# Allegro board 20250806_UNOQ.brd (continued)
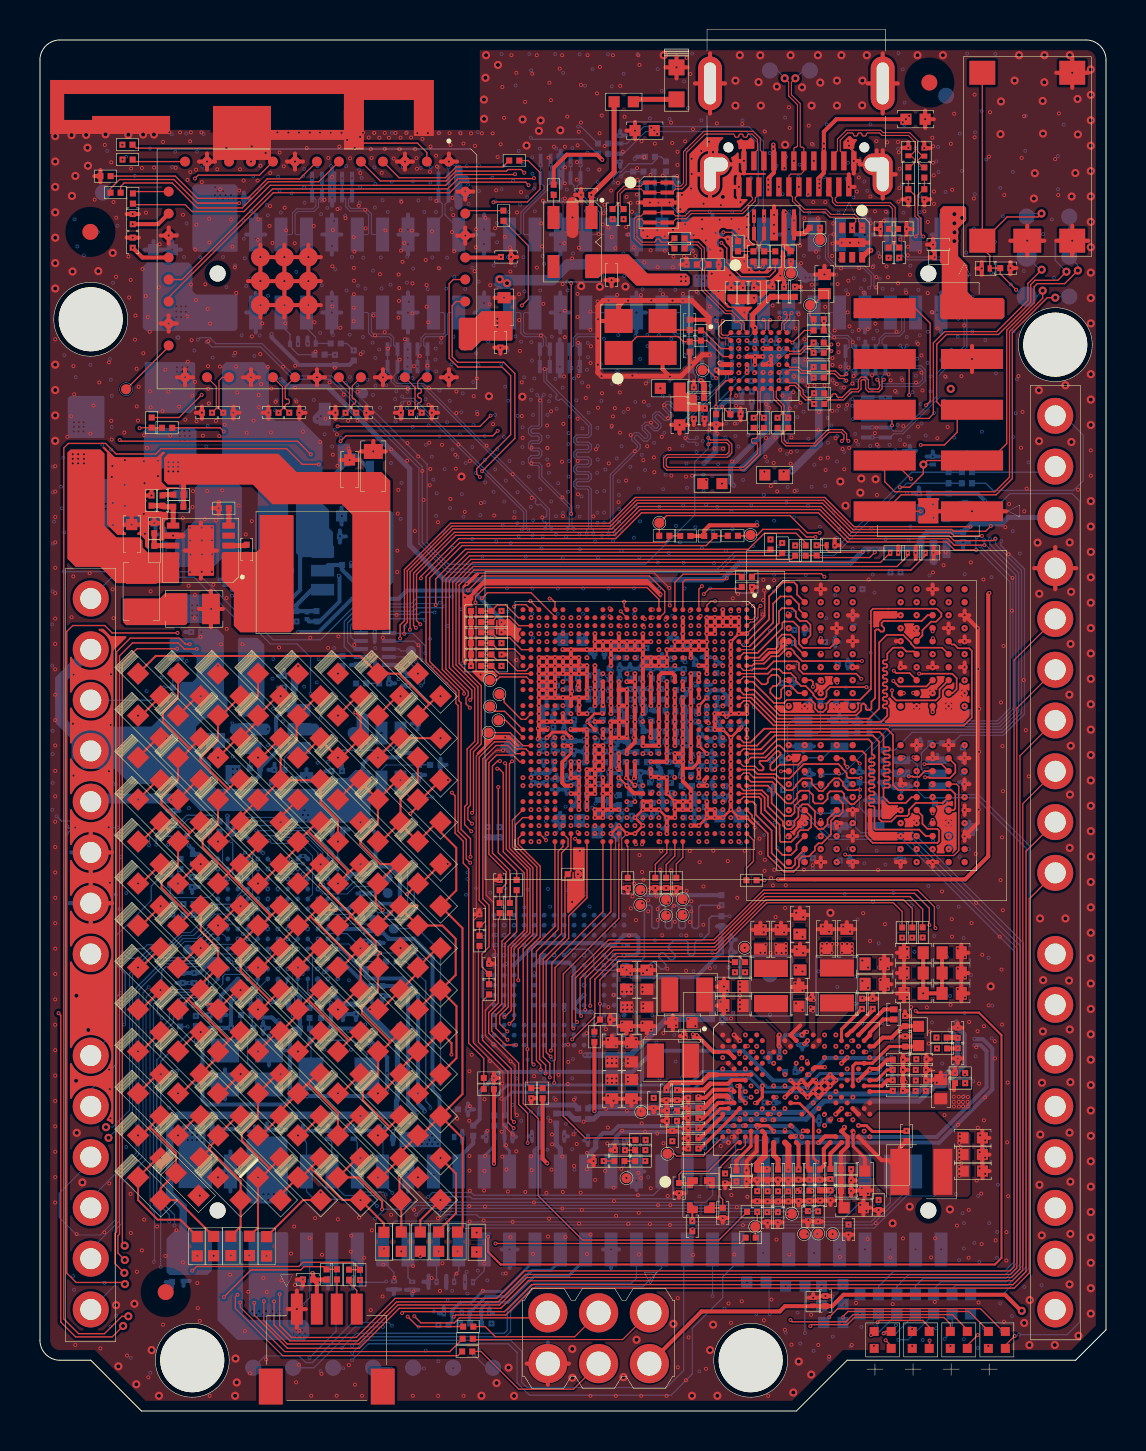
[diagram p0: board, top side]
## Routing (per net, layer and track width the routed paths; a pad name or vN(x,y) marks a point on that pad's centre or on a via; arc(x,y) is an arc through that point) (continued)
VBAT: length 0.4
  TOP w0.203: 45.73,16.05 45.73,16.34 R603.2
  vias: v1(45.72,15.72) v1(45.72,15.46) v1(45.73,15.23) v1(45.97,15.72) v1(45.97,15.46) v1(45.98,15.23) v1(46.19,15.71) v1(46.18,15.46) v1(46.19,15.24) v1(46.43,15.71) v1(46.42,15.46) v1(46.43,15.24) v2(45.72,15.72) v2(45.72,15.46) v2(45.73,15.23) v2(45.97,15.72) v2(45.97,15.46) v2(45.98,15.23) v2(46.19,15.71) v2(46.18,15.46) v2(46.19,15.24) v2(46.43,15.71) v2(46.42,15.46) v2(46.43,15.24) v3(6.49,40.57) v3(6.49,40.12) v3(6.89,40.56) v3(6.89,40.11) v3(7.29,40.56) v3(7.29,40.11) v3(13.89,7.37) v3(14.17,7.06) v3(14.43,6.68) v3(14.86,6.68) v3(15.32,6.68) v3(15.57,7.14) v3(45.85,14.96) v3(46.22,14.96) v3(46.59,14.96) v3(46.74,15.66) v3(46.74,15.3) v3(46.94,14.99) v4(7.62,40.3) v4(7.62,40.04) v4(7.62,39.79) v4(7.87,40.3) v4(7.87,40.04) v4(7.87,39.79) v4(8.13,40.3) v4(8.13,40.04) v4(8.13,39.79) v4(14.4,7.54) v4(14.43,7.26) v4(14.58,7.01) v4(14.68,7.52) v4(14.68,7.26) v4(14.81,7.01) v4(14.94,7.52) v4(14.94,7.26) v4(15.04,7.01) v4(15.19,7.52) v4(15.19,7.26) v4(15.29,7.01) v5(7.4,14.04) v5(7.4,13.81) v5(7.4,13.56) v5(7.62,40.3) v5(7.62,40.04) v5(7.62,39.79) v5(7.62,14.04) v5(7.62,13.81) v5(7.62,13.56) v5(7.87,40.3) v5(7.87,40.04) v5(7.87,39.79) v5(7.85,14.04) v5(7.85,13.81) v5(7.85,13.56) v5(8.13,40.3) v5(8.13,40.04) v5(8.13,39.79) v5(8.11,14.04) v5(8.11,13.81) v5(8.11,13.56)
VBAT_CONN_VSNS_P: length 7.3
  S3 w0.064: v2(46.29,16.4) 46.29,16.47 46.36,16.54 46.53,16.54 46.61,16.46 46.61,16.23 46.52,16.14 45.11,16.14 43.82,14.85 v2(40.51,14.85)
VBUS_DIV8: length 4
  TOP w0.254: v2(33.06,51.55) 33.22,51.38 R3020.1 R3019.2
  G2 w0.203: v1(34.98,52.3) 34.92,52.25 34.82,52.25 v2(34.77,52.2)
  S3 w0.203: v2(34.77,52.2) 34.62,52.04 v3(34.62,51.94) ; v2(33.06,51.55) 32.94,51.44 v3(32.94,51.16)
  S6 w0.254: v3(34.62,51.94) 33.73,51.94 v3(32.94,51.16)
VBUS_POWER_SWITCH_DISABLE_N: length 47.9
  TOP w0.066: JCTL1.10 43.79,55.16 44.54,54.41 44.54,50.51 v2(44.34,50.31)
  S3 w0.064: v3(43.48,47.26) 44.34,48.12 v2(44.34,50.31) ; v3(19.97,37.5) 19.88,37.41 18.3,37.41 17.76,37.95 15.06,37.95 v3(13.8,39.21)
  S6 w0.064: v3(43.48,47.26) 43.48,47.21 41.58,45.31 41.58,44.95 39.29,42.66 37.46,42.66 36.58,41.78 34.65,41.78 33.25,40.39 22.15,40.39 19.97,38.21 v3(19.97,37.5) ; v3(13.8,39.21) 13.9,39.21 v4(14.05,39.07)
  G7 w0.064: v5(12.23,39.19) 12.79,38.63 13.61,38.63 v4(14.05,39.07)
AMUX_1_TP: length 6.5
  S3 w0.064: v2(39.24,14.81) 39.24,14.73 39.64,14.33 39.64,13.97 40.09,13.52 40.09,10.27 39.66,9.84 v2(39.66,8.85)
ANT_CH0: length 5.6
  TOP w0.066: ANT1.1 15.71,63.59 15.88,63.42 18.89,63.42 19.36,62.95 U2901.2
AUX_CTRL_1: length 13.1
  TOP w0.066: U3001.G1 34.32,51.54 33.83,51.05 v2(33.83,50.23) R3001.1 ; v2(34.2,58.96) 34.61,58.96 34.93,58.64 R3003.1
  S3 w0.064: v2(33.83,50.23) 33.83,50.24 33.32,50.75 33.32,51.78 32.55,52.56 32.55,55.32 33.4,56.18 33.4,57.58 33.84,58.02 33.84,58.61 v2(34.2,58.96)
AUX_CTRL_2: length 15.6
  TOP w0.066: U3001.H1 34.57,50.86 34.54,50.83 R3002.1 34.52,49.86 v2(34.14,50.24) ; v2(34.09,58.44) 34.37,58.16 34.37,57.45 35.08,56.74 36.49,56.74 36.79,57.03 36.79,57.5
  S3 w0.064: v2(34.09,58.44) 34.09,58.03 33.53,57.48 33.53,56.09 32.72,55.28 32.72,52.71 33.5,51.93 33.5,50.88 v2(34.14,50.24)
BAT_ID: length 8
  S3 w0.064: v2(38.89,8.86) 38.89,9.05 38.74,9.19 38.75,9.2 38.75,9.8 v2(38.93,9.99) 39.55,9.99 39.95,10.39 39.95,13.48 39.48,13.95 39.48,14.33 39.18,14.63 39.12,14.63 38.69,15.06 v2(38.69,15.41)
BAT_THERM: length 6.8
  S3 w0.064: v2(39.26,14.28) 39.26,13.97 39.8,13.43 39.8,10.52 39.52,10.24 38.74,10.24 v2(38.5,10) 38.63,9.87 38.63,9.25 38.4,9.02 v2(38.4,8.85)
BOOT_CAP: length 5.1
  TOP w0.15: v1(43.36,14.01) 43.32,13.98 41.65,13.98 41.36,14.27 40.96,14.27 v1(40.95,14.28)
  G2 w0.2: v1(43.36,14.01) 41.65,14.01 41.36,14.3 40.97,14.3 v1(40.95,14.28)
BOOT_CONFIG0: length 2.7
  TOP w0.066: SOC1.AH9 22.97,36.88 R1304.1 R1303.2
BOOT_CONFIG1: length 2.4
  TOP w0.066: R1305.2 R1306.1 22.88,38.12 23.73,38.12 SOC1.AJ7
BOOT_CONFIG2: length 2.9
  TOP w0.066: R1307.2 R1308.1 22.88,37.55 23.37,37.55 23.89,37.03 24.32,37.03 SOC1.AH8
BOOT_CONFIG3: length 2.9
  TOP w0.066: SOC1.AH6 24.1,38.08 23.5,38.68 22.86,38.68 R1310.1 R1309.2
CBLPWR_N: length 5.4
  TOP w0.066: v2(36.65,14.55) 36.65,14.56 PMIC1.T10
  S3 w0.064: v2(36.65,14.55) 36.65,14.18 36.25,13.78 36.25,12.34 36.1,12.19 36.1,11.4 36.19,11.31 36.19,10.45 36.2,10.44 36.33,10.3 36.56,10.3 v2(36.93,9.93)
CC_OUT: length 4.2
  S3 w0.064: v2(35.86,18.24) 35.86,18.43 35.84,18.45 35.84,21.84 35.74,21.95 v2(35.28,21.95)
CCI_I2C_SCL0: length 29.7
  S3 w0.064: v2(26.17,38.48) 25.62,37.93 19.91,37.93 19.57,37.59 18.4,37.59 17.85,38.14 16.53,38.14 12.68,41.99 12.68,48.01 13.76,49.09 13.76,51.18 13.96,51.38 v3(13.96,52.83)
  S6 w0.064: v5(15.7,53.05) 14.18,53.05 v3(13.96,52.83)
  BOTTOM w0.066: v5(15.7,53.05) 15.35,53.4 R2607.1
CCI_I2C_SCL0_CONN: length 2.5
  BOTTOM w0.066: R2607.2 D26051.2 13.79,53.72 13.34,54.17 JMEDIA1.51
CCI_I2C_SCL1: length 47.6
  S3 w0.064: v3(14.05,58.79) 14.4,58.43 14.4,53.26 16.38,51.28 16.38,45.65 18.85,43.18 20.75,43.18 22.86,41.07 25.7,41.07 26.97,39.8 v2(26.97,39.68)
  S6 w0.064: v5(29.06,61.74) 28.57,61.74 26.57,59.75 26.57,57.86 26.03,57.31 14.62,57.31 14.32,57.62 14.32,58.48 14.05,58.75 v3(14.05,58.79)
  BOTTOM w0.066: R2611.1 30.19,62 R2610.1 29.31,62 29.06,61.76 v5(29.06,61.74)
CCI_I2C_SCL1_CONN: length 3.3
  BOTTOM w0.066: JMEDIA1.24 31.11,60.31 30.77,60.66 D26049.2 30.77,61.93 R2611.2
CCI_I2C_SDA0: length 27.8
  S3 w0.064: v2(26.17,38.88) 25.94,38.65 25.94,38.42 25.62,38.1 19.83,38.1 19.47,37.74 18.52,37.74 17.93,38.33 16.64,38.33 12.84,42.13 12.84,47.9 13.96,49.02 13.96,51.12 14.18,51.34 14.18,52.3 v3(14.36,52.48)
  S6 w0.064: v3(14.36,52.48) 14.4,52.48 v5(14.76,52.83)
  BOTTOM w0.066: R2608.1 14.75,52.84 v5(14.76,52.83)
CCI_I2C_SDA0_CONN: length 3.3
  BOTTOM w0.066: R2608.2 12.92,52.84 12.51,53.25 D26050.2 12.51,53.86 12.06,54.3 12.06,54.95
CCI_I2C_SDA1: length 49.7
  S3 w0.064: v3(14,58.36) 14.22,58.13 14.22,53.19 16.21,51.21 16.21,45.57 18.75,43.03 19.75,43.03 19.76,43.02 20.71,43.02 22.83,40.89 25.65,40.89 26.77,39.78 26.77,39.09 v2(26.57,38.88)
  S6 w0.064: v5(28.7,61.45) 28.48,61.45 26.7,59.67 26.7,57.75 26.12,57.17 14.54,57.17 14.16,57.55 14.16,58.19 v3(14,58.36)
  BOTTOM w0.066: R2612.1 31.08,62.74 R2609.1 30.77,62.54 30.62,62.39 29.48,62.39 29.06,61.97 28.94,61.97 28.7,61.73 v5(28.7,61.45)
CCI_I2C_SDA1_CONN: length 3.6
  BOTTOM w0.066: R2612.2 D26048.2 31.32,60.53 32.38,59.47 32.38,58.85
CDC_CP_FLY_N: length 2
  TOP w0.2: PMIC1.B26 PMIC1.A27 41.52,18.91 42.19,19.59 C501.2
CDC_CP_FLY_P: length 2.3
  TOP w0.2: PMIC1.A25 42.24,20.09 C501.1
CDC_CP_VNEG: length 2.9
  TOP w0.2: F501.1 43.95,19.25 C502.1 43.18,19.25 42.61,18.68 42.16,18.68 41.73,18.24 PMIC1.C27
CDC_PA_VNEG: length 4.7
  TOP w0.16: C503.1 42.49,18.23 41.65,17.39 PMIC1.F26 ; PMIC1.K24 40.67,17.25 40.82,17.4 41.23,17.4
  TOP w0.2: C503.1 43.91,18.23 F501.2 ; 41.23,17.4 PMIC1.F26
CSI0_A0_CLK_M: length 25.4
  TOP w0.058: v2(30.66,39.69) 30.65,39.68 SOC1.N2
  S3 w0.053: v3(27.76,43.54) 27.58,43.36 27.58,42.95 28.12,42.42 29.6,42.42 30.8,41.22 30.8,40.37 30.9,40.27 30.9,39.93 v2(30.66,39.69)
  S6 w0.053: v5(27.69,43.85) 27.76,43.77 v3(27.76,43.54)
  BOTTOM w0.058: v5(27.69,43.85) 27.69,44.08 27.59,44.18 27.59,46.12 27.45,46.25 26.9,46.25 26.84,46.31 26.84,46.43 26.9,46.49 27.45,46.49 27.59,46.62 27.59,46.85 27.45,46.99 26.9,46.99 26.84,47.05 26.84,47.16 26.9,47.22 27.45,47.22 27.59,47.36 27.59,47.59 27.45,47.73 26.9,47.73 26.84,47.78 26.84,47.9 26.9,47.96 27.45,47.96 27.59,48.1 27.59,48.32 27.45,48.46 26.9,48.46 26.84,48.52 26.84,48.64 26.9,48.7 27.45,48.7 27.59,48.83 27.59,49.33 25.35,51.57 25.35,52.08 U2610.4 U2610.7 25.32,53.31 25.32,53.69 25.14,53.88 24.3,53.88 24.2,53.97 24.2,54.89 24.26,54.95 JMEDIA1.33
CSI0_A1_LN1_P: length 25.2
  TOP w0.058: v2(30.27,39.61) 30.2,39.68 30.17,39.68
  S3 w0.05: 30.29,39.65 30.28,39.63
  S3 w0.053: v3(26.32,43.85) 26.5,43.67 26.5,43.47 27.94,42.04 29.39,42.04 30.31,41.11 30.31,39.74 30.29,39.72 30.29,39.65
  S3 w0.058: 30.28,39.63 30.27,39.62 v2(30.27,39.61)
  S6 w0.053: v5(26.39,44.13) 26.34,44.13 26.32,44.11 v3(26.32,43.85) ; v5(24.88,50.83) 24.99,50.94 24.99,51.47 25.17,51.65 25.5,51.65 25.55,51.7 25.55,51.79 25.6,51.84 25.71,51.84 25.76,51.79 25.76,51.7 25.82,51.65 25.92,51.65 25.98,51.7 25.98,51.79 26.03,51.84 26.14,51.84 26.19,51.79 26.19,51.7 26.24,51.65 26.66,51.65 26.72,51.7 26.72,52.07 v5(26.61,52.17)
  BOTTOM w0.058: v5(24.88,50.83) 24.98,50.73 24.98,49.33 24.92,49.27 24.58,49.27 24.44,49.13 24.44,48.91 24.58,48.77 24.92,48.77 24.98,48.71 24.98,48.59 24.92,48.53 24.58,48.53 24.44,48.4 24.44,48.17 24.58,48.03 24.92,48.03 24.98,47.97 24.98,47.86 24.92,47.8 24.58,47.8 24.44,47.66 24.44,47.43 24.58,47.3 24.92,47.3 24.98,47.24 24.98,46.68 26.48,45.18 26.48,44.22 v5(26.39,44.13) ; v5(26.61,52.17) 26.58,52.17 U2610.2 U2610.9 26.69,53.29 26.69,53.68 26.88,53.87 27.81,53.87 27.87,53.93 27.87,54.89 27.81,54.95 27.3,54.95
CSI0_A2_LN2_M: length 25.1
  S3 w0.05: 29.78,39.83 v2(29.78,39.68)
  S3 w0.053: v3(24.02,43.82) 24.19,43.82 24.2,43.81 24.2,43.41 24.9,42.71 26.37,42.71 27.59,41.49 29.11,41.49 29.7,40.9 29.7,40.3 29.7,40.3 29.7,40.27 29.6,40.18 29.6,40.01 29.71,39.9 29.71,39.9 29.78,39.83
  S6 w0.053: v3(24.02,43.82) 24.02,44.08 24.08,44.13 v5(24.11,44.1) ; v5(19.39,52.24) 19.2,52.05 19.2,51.12 18.61,50.53 18.23,50.53 v5(18.12,50.42)
  BOTTOM w0.058: JMEDIA1.39 20.45,54.95 20.39,54.89 20.39,53.88 20.25,53.74 19.32,53.74 19.2,53.62 19.2,53.31 U2609.10 v5(19.39,52.24) ; v5(24.11,44.1) 24.21,44.19 24.21,44.96 18.65,50.52 18.22,50.52 v5(18.12,50.42)
CSI0_B0_LN0_P: length 25.4
  S3 w0.05: v2(30.57,39.28) 30.71,39.14 30.78,39.14 30.85,39.21 30.85,39.58 31.08,39.8 31.08,40.43 31.07,40.43 31.07,40.44
  S3 w0.053: v3(28.35,43.54) 28.52,43.36 28.52,43.08 29.02,42.58 29.7,42.58 31.07,41.2 31.07,40.44
  S6 w0.053: v5(28.44,43.85) 28.4,43.85 28.35,43.79 v3(28.35,43.54)
  BOTTOM w0.058: JMEDIA1.23 31.62,54.95 31.68,54.89 31.68,53.92 31.86,53.74 32.7,53.74 32.81,53.63 32.81,53.29 U2606.6 U2606.5 32.63,51.96 32.8,51.79 32.8,51.11 32.45,50.76 32.36,50.76 32.32,50.8 32.24,50.8 32.16,50.72 32.16,50.63 32.2,50.59 32.2,50.51 31.9,50.21 31.82,50.21 31.52,50.5 31.33,50.5 31.17,50.34 31.17,50.14 31.46,49.85 31.46,49.77 31.38,49.69 31.29,49.69 31,49.98 30.81,49.98 30.65,49.82 30.65,49.62 30.94,49.33 30.94,49.25 30.86,49.17 30.77,49.17 30.48,49.46 30.29,49.46 30.13,49.3 30.13,49.1 30.42,48.81 30.42,48.73 30.34,48.65 30.25,48.65 29.96,48.94 29.77,48.94 29.6,48.77 29.6,48.58 29.9,48.29 29.9,48.21 28.54,46.85 28.54,44.18 28.44,44.08 v5(28.44,43.85)
CSI0_B1_LN1_M: length 25.1
  TOP w0.058: 30.17,39.28 30.17,39.25 v2(30.22,39.2)
  S3 w0.05: 30.46,39.71 30.46,39.54 30.22,39.3 v2(30.22,39.2)
  S3 w0.053: v3(26.8,43.85) 26.62,43.67 26.62,43.52 27.99,42.15 29.44,42.15 30.43,41.16 30.43,39.74 30.46,39.71
  S6 w0.053: v5(25.21,50.83) 25.11,50.93 25.11,51.42 25.22,51.53 26.71,51.53 26.83,51.65 26.83,52.07 v5(26.94,52.17) ; v5(26.71,44.13) 26.75,44.16 26.8,44.11 v3(26.8,43.85)
  BOTTOM w0.058: v5(26.71,44.13) 26.62,44.22 26.62,45.23 25.11,46.74 25.11,47.29 24.97,47.43 24.63,47.43 24.57,47.49 24.57,47.6 24.63,47.66 24.97,47.66 25.11,47.8 25.11,48.03 24.97,48.17 24.63,48.17 24.57,48.22 24.57,48.34 24.63,48.4 24.97,48.4 25.11,48.54 25.11,48.77 24.97,48.9 24.63,48.9 24.57,48.96 24.57,49.08 24.63,49.14 24.97,49.14 25.11,49.27 25.11,50.73 v5(25.21,50.83) ; v5(26.94,52.17) U2610.1 U2610.10 26.82,53.31 26.82,53.62 26.94,53.74 27.87,53.74 28.01,53.88 28.01,54.89 28.07,54.95 JMEDIA1.27
CSI0_B2_LN3_P: length 25.3
  S3 w0.05: 29.97,40.44 29.97,40.43 29.97,40.43 29.97,39.49 v2(29.77,39.28)
  S3 w0.053: 29.97,40.44 29.97,41.03 29.24,41.77 27.71,41.77 26.48,43 25.58,43 25.38,43.19 25.38,43.65 v3(25.18,43.84)
  S6 w0.053: v3(25.18,43.84) 25.26,43.92 v5(25.26,44.13)
  BOTTOM w0.058: v5(25.26,44.13) 25.36,44.23 25.36,44.41 25.3,44.47 25.21,44.47 25.15,44.53 25.15,44.64 25.21,44.7 25.3,44.7 25.36,44.76 25.36,45.05 25.06,45.35 24.97,45.35 24.95,45.33 24.86,45.33 24.78,45.41 24.78,45.49 24.81,45.52 24.81,45.6 19.14,51.27 17.8,51.27 17.57,51.49 17.57,51.8 17.39,51.98 U2609.5 U2609.6 17.57,53.29 17.57,53.63 17.46,53.74 16.62,53.74 16.44,53.92 16.44,54.89 16.38,54.95 JMEDIA1.47
CSI0_C0_LN0_M: length 25.3
  S3 w0.05: 31.19,40.44 31.19,40.43 31.19,40.43 31.19,39.76 30.97,39.54 30.97,39.16 30.83,39.03 30.71,39.03 v2(30.57,38.88)
  S3 w0.053: 31.19,40.44 31.19,41.25 29.74,42.7 29.07,42.7 28.64,43.13 28.64,43.37 28.81,43.54 v3(28.82,43.54)
  S6 w0.053: v3(28.82,43.54) 28.82,43.79 v5(28.77,43.85)
  BOTTOM w0.058: 32.38,54.95 31.88,54.95 31.82,54.89 31.82,53.97 31.91,53.88 32.76,53.88 32.94,53.69 32.94,53.31 U2606.7 U2606.4 33.13,51.99 32.94,51.8 32.94,51.06 31.95,50.07 31.76,50.07 31.47,50.37 31.39,50.37 31.3,50.28 31.3,50.2 31.59,49.91 31.59,49.71 31.43,49.55 31.24,49.55 30.95,49.84 30.86,49.84 30.78,49.76 30.78,49.68 31.07,49.39 31.07,49.19 30.91,49.03 30.72,49.03 30.43,49.32 30.34,49.32 30.26,49.24 30.26,49.16 30.55,48.87 30.55,48.67 30.39,48.51 30.2,48.51 29.9,48.8 29.82,48.8 29.74,48.72 29.74,48.64 30.03,48.34 30.03,48.15 28.67,46.79 28.67,44.18 28.77,44.08 v5(28.77,43.85)
CSI0_C1_LN2_P: length 25.1
  S3 w0.053: v3(24.5,43.82) 24.33,43.82 24.32,43.81 24.32,43.46 24.95,42.83 26.41,42.83 27.64,41.61 29.16,41.61 29.82,40.94 29.82,40.25 29.82,40.23 29.78,40.19 v2(29.78,40.08)
  S6 w0.053: v5(24.44,44.1) 24.48,44.1 24.5,44.08 v3(24.5,43.82) ; v5(18.12,50.75) 18.22,50.65 18.56,50.65 18.73,50.81 18.73,50.89 18.66,50.96 18.66,51.03 18.74,51.11 18.81,51.11 18.88,51.04 18.95,51.04 19.08,51.17 19.08,51.55 19.03,51.6 18.95,51.6 18.9,51.66 18.9,51.76 18.95,51.82 19.03,51.82 19.08,51.87 19.08,52.05 v5(18.89,52.24)
  BOTTOM w0.058: 19.68,54.95 20.19,54.95 20.25,54.89 20.25,53.93 20.19,53.87 19.26,53.87 19.07,53.68 19.07,53.29 U2609.9 v5(18.89,52.24) ; v5(18.12,50.75) 18.21,50.65 18.71,50.65 24.34,45.02 24.34,44.19 v5(24.44,44.1)
CSI0_C2_LN3_M: length 25.3
  S3 w0.05: 30.09,40.44 30.09,40.43 30.09,40.43 30.09,39.44 30.02,39.37 30.02,39.13 v2(29.77,38.88)
  S3 w0.053: v3(25.66,43.84) 25.5,43.68 25.5,43.24 25.63,43.11 26.53,43.11 27.76,41.88 29.29,41.88 30.09,41.08 30.09,40.44
  S6 w0.053: v3(25.66,43.84) 25.59,43.91 v5(25.59,44.13)
  BOTTOM w0.058: 17.14,54.95 16.64,54.95 16.58,54.89 16.58,53.97 16.68,53.88 17.52,53.88 17.7,53.69 17.7,53.31 U2609.7 U2609.4 17.89,51.97 17.71,51.79 17.71,51.55 17.86,51.4 19.2,51.4 25.49,45.11 25.49,44.23 v5(25.59,44.13)
CSI0_NC_CLK_P: length 25.5
  TOP w0.058: SOC1.N1 30.65,40.08 v2(30.66,40.09)
  S3 w0.053: v3(27.26,43.55) 27.31,43.55 27.47,43.39 27.47,43.28 27.43,43.24 27.34,43.24 27.32,43.21 27.32,43.08 27.34,43.05 27.43,43.05 27.45,43.02 27.45,42.92 28.07,42.3 29.56,42.3 30.68,41.18 30.68,40.11 v2(30.66,40.09)
  S6 w0.053: v3(27.26,43.55) 27.36,43.65 v5(27.36,43.85)
  BOTTOM w0.058: JMEDIA1.35 24,54.95 24.06,54.89 24.06,53.92 24.24,53.74 25.08,53.74 25.19,53.63 25.19,53.29 U2610.6 U2610.5 25.22,52.04 25.22,51.51 25.86,50.87 25.86,50.78 25.8,50.72 25.8,50.64 25.89,50.55 25.97,50.55 26.03,50.62 26.11,50.62 27.45,49.28 27.45,48.89 27.4,48.83 26.85,48.83 26.71,48.69 26.71,48.46 26.85,48.33 27.4,48.33 27.45,48.27 27.45,48.15 27.4,48.09 26.85,48.09 26.71,47.96 26.71,47.73 26.85,47.59 27.4,47.59 27.45,47.53 27.45,47.42 27.4,47.36 26.85,47.36 26.71,47.22 26.71,46.99 26.85,46.85 27.4,46.85 27.45,46.8 27.45,46.68 27.4,46.62 26.85,46.62 26.71,46.48 26.71,46.26 26.85,46.12 27.4,46.12 27.45,46.06 27.45,44.18 27.36,44.08 v5(27.36,43.85)
CSI1_A0_CLK_M: length 56.6
  TOP w0.058: SOC1.T2 29.12,39.93 29.12,39.93 29.06,39.99 v2(29.06,40.01)
  S3 w0.053: v3(19.96,61.72) 20.15,61.53 20.15,61.23 20.1,61.17 16.59,61.17 16.47,61.05 16.47,60.85 16.59,60.73 20.1,60.73 20.15,60.67 20.15,60.57 20.1,60.51 16.59,60.51 16.47,60.39 16.47,60.19 16.59,60.07 20.1,60.07 20.15,60.01 20.15,59.91 20.1,59.85 16.59,59.85 16.47,59.73 16.47,59.53 16.59,59.41 20.1,59.41 20.15,59.35 20.15,58.87 19.76,58.48 19.69,58.48 19.48,58.69 19.31,58.69 19.16,58.54 19.16,58.37 19.37,58.16 19.37,58.09 19.3,58.01 19.22,58.01 19.01,58.22 18.84,58.22 18.7,58.08 18.7,57.9 18.91,57.7 18.91,57.62 18.26,56.98 18.26,54.09 19.85,52.5 19.85,46.17 21.13,44.89 21.32,44.89 24.13,42.09 26.14,42.09 27.52,40.7 28.6,40.7 29.06,40.24 v2(29.06,40.01)
  S6 w0.053: v5(19.94,62.21) 20.13,62.02 20.13,61.89 v3(19.96,61.72)
  BOTTOM w0.058: v5(19.94,62.21) U2607.1 U2607.6 19.94,60.57 20.13,60.38 20.13,59.8 19.68,59.35 19.68,58.85
CSI1_A1_LN1_P: length 56.4
  S3 w0.051: v2(29.05,39.65) 29.05,39.55 29.01,39.51 28.9,39.51 28.85,39.56 28.85,40.27 28.61,40.51 28.43,40.51
  S3 w0.053: v3(15.62,61.38) 15.44,61.2 15.44,61 15.49,60.95 15.54,60.95 15.59,60.9 15.59,60.79 15.54,60.74 15.49,60.74 15.44,60.68 15.44,60.39 15.96,59.87 15.96,58.97 16.17,58.76 17.53,58.76 17.67,58.62 17.67,58.41 17.55,58.29 16.13,58.29 16.09,58.25 16.09,58.12 16.13,58.08 17.64,58.08 17.75,57.97 17.75,57.74 17.63,57.62 16.11,57.62 16.06,57.57 16.06,57.46 16.11,57.41 17.63,57.41 17.75,57.29 17.75,57.08 17.63,56.96 16.11,56.96 16.06,56.91 16.06,56.8 16.11,56.75 17.63,56.75 17.75,56.63 17.75,56.42 17.63,56.3 16.11,56.3 16.06,56.25 16.06,56.14 16.11,56.09 17.63,56.09 17.75,55.97 17.75,55.76 17.63,55.64 16.11,55.64 16.06,55.59 16.06,55.48 16.11,55.43 17.63,55.43 17.75,55.31 17.75,55.1 17.63,54.98 16.11,54.98 16.06,54.93 16.06,54.82 16.11,54.77 17.45,54.77 17.57,54.65 17.57,54.44 17.45,54.32 16.11,54.32 16.06,54.27 16.06,54 18.03,52.03 18.03,47.33 20.8,44.56 21.3,44.56 23.91,41.95 26.09,41.95 27.53,40.51 28.43,40.51
  S6 w0.053: v3(15.62,61.38) v5(15.62,61.66)
  BOTTOM w0.058: v5(15.62,61.66) U2605.6 15.43,60.6 15.43,60.29 15.57,60.15 16.31,60.15 16.58,59.88 16.58,58.9 16.64,58.85 17.14,58.85
CSI1_A2_LN2_M: length 56.6
  S3 w0.053: v2(28.5,39.75) 28.36,39.89 27.57,39.89 25.9,41.56 23.47,41.56 21.06,43.97 20.33,43.97 17.42,46.88 17.42,51.68 15.3,53.8 15.3,59.11 14.18,60.23 14.18,60.42 v3(13.99,60.61)
  S6 w0.053: v3(13.99,60.61) 14.17,60.43 14.17,60.26 14.43,60 21.61,60 22.28,60.67 22.35,60.67 23.04,59.98 23.21,59.98 23.35,60.12 23.35,60.3 22.55,61.11 22.55,61.17 22.62,61.25 22.71,61.25 23.51,60.44 23.67,60.44 23.82,60.59 23.82,60.77 23.01,61.57 23.01,61.64 23.09,61.72 23.17,61.72 23.98,60.91 24.14,60.91 24.29,61.06 24.29,61.24 23.48,62.04 23.48,62.11 23.56,62.18 23.64,62.18 24.44,61.38 24.61,61.38 24.75,61.52 24.75,61.7 24.01,62.45 24.01,62.56 24.26,62.81 25.02,62.81 25.18,62.65 25.18,62.48 v5(25.05,62.35)
  BOTTOM w0.058: JMEDIA1.36 24,58.85 24.06,58.9 24.06,59.95 25.24,61.13 25.24,61.25 25.05,61.44 U2608.10 v5(25.05,62.35) U2608.1
CSI1_B0_LN0_P: length 56.5
  S3 w0.05: 29.39,39.3 v2(29.37,39.28)
  S3 w0.053: v3(14.12,61.34) 13.94,61.52 13.94,61.93 14.26,62.25 14.59,62.25 14.64,62.2 14.64,62.1 14.69,62.05 14.8,62.05 14.85,62.1 14.85,62.2 14.91,62.25 15.01,62.25 15.07,62.2 15.07,62.1 15.12,62.05 15.23,62.05 15.28,62.1 15.28,62.2 15.33,62.25 15.44,62.25 15.49,62.2 15.49,62.1 15.55,62.05 15.65,62.05 15.71,62.1 15.71,62.2 15.76,62.25 20.55,62.25 20.67,62.37 20.67,62.95 20.72,63.01 20.83,63.01 20.88,62.95 20.88,62.37 21,62.25 21.21,62.25 21.33,62.37 21.33,62.95 21.38,63.01 21.49,63.01 21.54,62.95 21.54,62.37 21.66,62.25 21.87,62.25 21.99,62.37 21.99,62.95 22.04,63.01 22.15,63.01 22.2,62.95 22.2,62.37 22.32,62.25 22.6,62.25 22.7,62.15 22.7,61.79 22.65,61.74 21.41,61.74 21.3,61.63 21.3,61.42 21.43,61.29 22.65,61.29 22.7,61.24 22.7,61.13 22.65,61.08 21.12,61.08 21,60.96 21,60.75 21.12,60.63 22.07,60.63 22.13,60.58 22.13,60.47 22.07,60.42 21.12,60.42 21,60.3 21,60.09 21.12,59.97 21.74,59.97 21.79,59.92 21.79,59.64 18.91,56.76 18.91,54.21 20.36,52.76 20.36,46.31 21.32,45.35 21.51,45.35 24.47,42.39 26.24,42.39 27.41,41.22 28.94,41.22 29.46,40.71 29.46,40.38 29.37,40.3 29.37,39.36 29.39,39.35 29.39,39.3
  S6 w0.053: v3(14.12,61.34) v5(14.12,61.66)
  BOTTOM w0.058: v5(14.12,61.66) U2605.9 13.94,60.6 13.94,60.22 13.72,60 12.9,60 12.77,59.87 12.77,58.9 12.83,58.85 JMEDIA1.52
CSI1_B1_LN1_M: length 56.5
  S3 w0.051: 28.43,40.39 28.57,40.39 28.74,40.22 28.74,39.51 28.85,39.4 29,39.4 29.05,39.35 v2(29.05,39.25)
  S3 w0.053: 28.43,40.39 27.48,40.39 26.04,41.83 23.86,41.83 21.25,44.44 20.75,44.44 17.91,47.28 17.91,51.98 15.94,53.95 15.94,54.32 16.06,54.44 17.4,54.44 17.45,54.49 17.45,54.6 17.4,54.65 16.06,54.65 15.94,54.77 15.94,54.98 16.06,55.1 17.58,55.1 17.63,55.15 17.63,55.26 17.58,55.31 16.06,55.31 15.94,55.43 15.94,55.64 16.06,55.76 17.58,55.76 17.63,55.81 17.63,55.92 17.58,55.97 16.06,55.97 15.94,56.09 15.94,56.3 16.06,56.42 17.58,56.42 17.63,56.47 17.63,56.58 17.58,56.63 16.06,56.63 15.94,56.75 15.94,56.96 16.06,57.08 17.58,57.08 17.63,57.13 17.63,57.24 17.58,57.29 16.06,57.29 15.94,57.41 15.94,57.62 16.06,57.74 17.58,57.74 17.63,57.79 17.63,57.92 17.59,57.96 16.08,57.96 15.97,58.07 15.97,58.3 16.09,58.41 17.5,58.41 17.55,58.46 17.55,58.58 17.48,58.64 16.12,58.64 15.84,58.92 15.84,59.82 15.32,60.34 15.32,61.2 v3(15.14,61.38)
  S6 w0.053: v5(15.12,61.66) 15.14,61.63 v3(15.14,61.38)
  BOTTOM w0.058: JMEDIA1.48 16.38,58.85 16.44,58.9 16.44,59.83 16.25,60.02 15.51,60.02 15.3,60.23 15.3,60.6 U2605.7 v5(15.12,61.66)
CSI1_B2_LN3_P: length 56.8
  S3 w0.053: v3(12.86,60.51) 13.03,60.33 13.43,60.33 14.91,58.85 14.91,53.54 16.96,51.49 16.96,46.66 20.09,43.53 21.04,43.53 23.16,41.4 25.86,41.4 28.12,39.14 28.43,39.14 v2(28.57,39.28)
  S6 w0.053: v5(27.05,62.34) 27.05,62.37 26.86,62.56 26.86,62.75 26.91,62.81 27.35,62.81 27.52,62.63 27.52,62.02 27.47,61.97 27.38,61.97 27.33,61.91 27.33,61.81 27.38,61.75 27.47,61.75 27.52,61.7 27.52,61.61 27.14,61.23 27.06,61.23 27.04,61.25 26.97,61.25 26.89,61.17 26.89,61.1 26.91,61.07 26.91,61 26.84,60.92 26.76,60.92 26.74,60.95 26.67,60.95 26.59,60.87 26.59,60.79 26.61,60.77 26.61,60.7 25.62,59.71 25.62,58.21 25.21,57.8 15.36,57.8 15.09,58.07 15.09,58.66 13.43,60.33 13.04,60.33 v3(12.86,60.51)
  BOTTOM w0.058: U2608.5 v5(27.05,62.34) U2608.6 27.05,61.45 26.86,61.26 26.86,61.09 28.01,59.94 28.01,58.9 28.07,58.85 JMEDIA1.28
CSI1_C0_LN0_M: length 56.6
  S3 w0.05: v2(29.37,38.88) 29.54,39.06 29.54,39.21
  S3 w0.053: 29.54,39.21 29.54,39.21 29.54,39.36 29.49,39.41 29.49,40.25 29.57,40.34 29.57,40.76 28.99,41.34 27.45,41.34 26.29,42.51 24.52,42.51 21.56,45.47 21.37,45.47 20.48,46.36 20.48,52.81 19.03,54.26 19.03,56.71 21.91,59.59 21.91,59.97 21.79,60.09 21.17,60.09 21.12,60.14 21.12,60.25 21.17,60.3 22.12,60.3 22.25,60.42 22.25,60.63 22.12,60.75 21.17,60.75 21.12,60.8 21.12,60.91 21.17,60.96 22.7,60.96 22.82,61.08 22.82,61.29 22.7,61.41 21.48,61.41 21.42,61.47 21.42,61.58 21.46,61.62 22.7,61.62 22.82,61.74 22.82,62.2 22.65,62.37 22.37,62.37 22.32,62.42 22.32,63 22.2,63.12 21.99,63.12 21.87,63 21.87,62.42 21.82,62.37 21.71,62.37 21.66,62.42 21.66,63 21.54,63.12 21.33,63.12 21.21,63 21.21,62.42 21.16,62.37 21.05,62.37 21,62.42 21,63 20.88,63.12 20.67,63.12 20.55,63 20.55,62.42 20.5,62.37 14.21,62.37 13.82,61.98 13.82,61.52 v3(13.64,61.34)
  S6 w0.053: v5(13.62,61.66) 13.64,61.63 v3(13.64,61.34)
  BOTTOM w0.058: 12.06,58.85 12.57,58.85 12.63,58.9 12.63,59.92 12.84,60.13 13.66,60.13 13.81,60.28 13.81,60.6 U2605.10 v5(13.62,61.66)
CSI1_C1_LN2_P: length 56.6
  S3 w0.053: v2(28.5,40.15) 28.36,40.01 27.62,40.01 25.95,41.68 23.52,41.68 21.11,44.09 20.38,44.09 17.54,46.93 17.54,51.73 15.42,53.85 15.42,59.16 14.3,60.28 14.3,60.44 v3(14.47,60.61)
  S6 w0.053: v5(25.55,62.35) 25.4,62.35 25.3,62.45 25.3,62.7 25.07,62.93 24.89,62.93 24.79,63.03 24.68,63.03 24.58,62.93 24.22,62.93 23.89,62.61 23.89,62.4 24.64,61.65 24.64,61.57 24.56,61.5 24.49,61.5 23.69,62.3 23.51,62.3 23.36,62.16 23.36,61.99 24.17,61.19 24.17,61.1 24.09,61.03 24.03,61.03 23.22,61.83 23.04,61.83 22.9,61.69 22.9,61.53 23.7,60.72 23.7,60.64 23.63,60.56 23.56,60.56 22.75,61.37 22.57,61.37 22.43,61.22 22.43,61.06 23.23,60.25 23.23,60.17 23.16,60.09 23.09,60.09 22.4,60.78 22.23,60.78 21.56,60.12 14.48,60.12 14.29,60.31 14.29,60.43 v3(14.47,60.61)